# Altium PCB pcb-4layer-1oz-1.6mm.PcbDoc (part 2 of 4)
Units mm, origin at the board's own origin, x right, y up, seen from the top; angles counter-clockwise.
Board outline 208.5 x 86.9 mm, 4 copper layers (Top Layer, MID1, MID2, Bottom Layer), stack 1.579 mm thick; 542 components, 426 nets, 1550 pads, 470 vias.
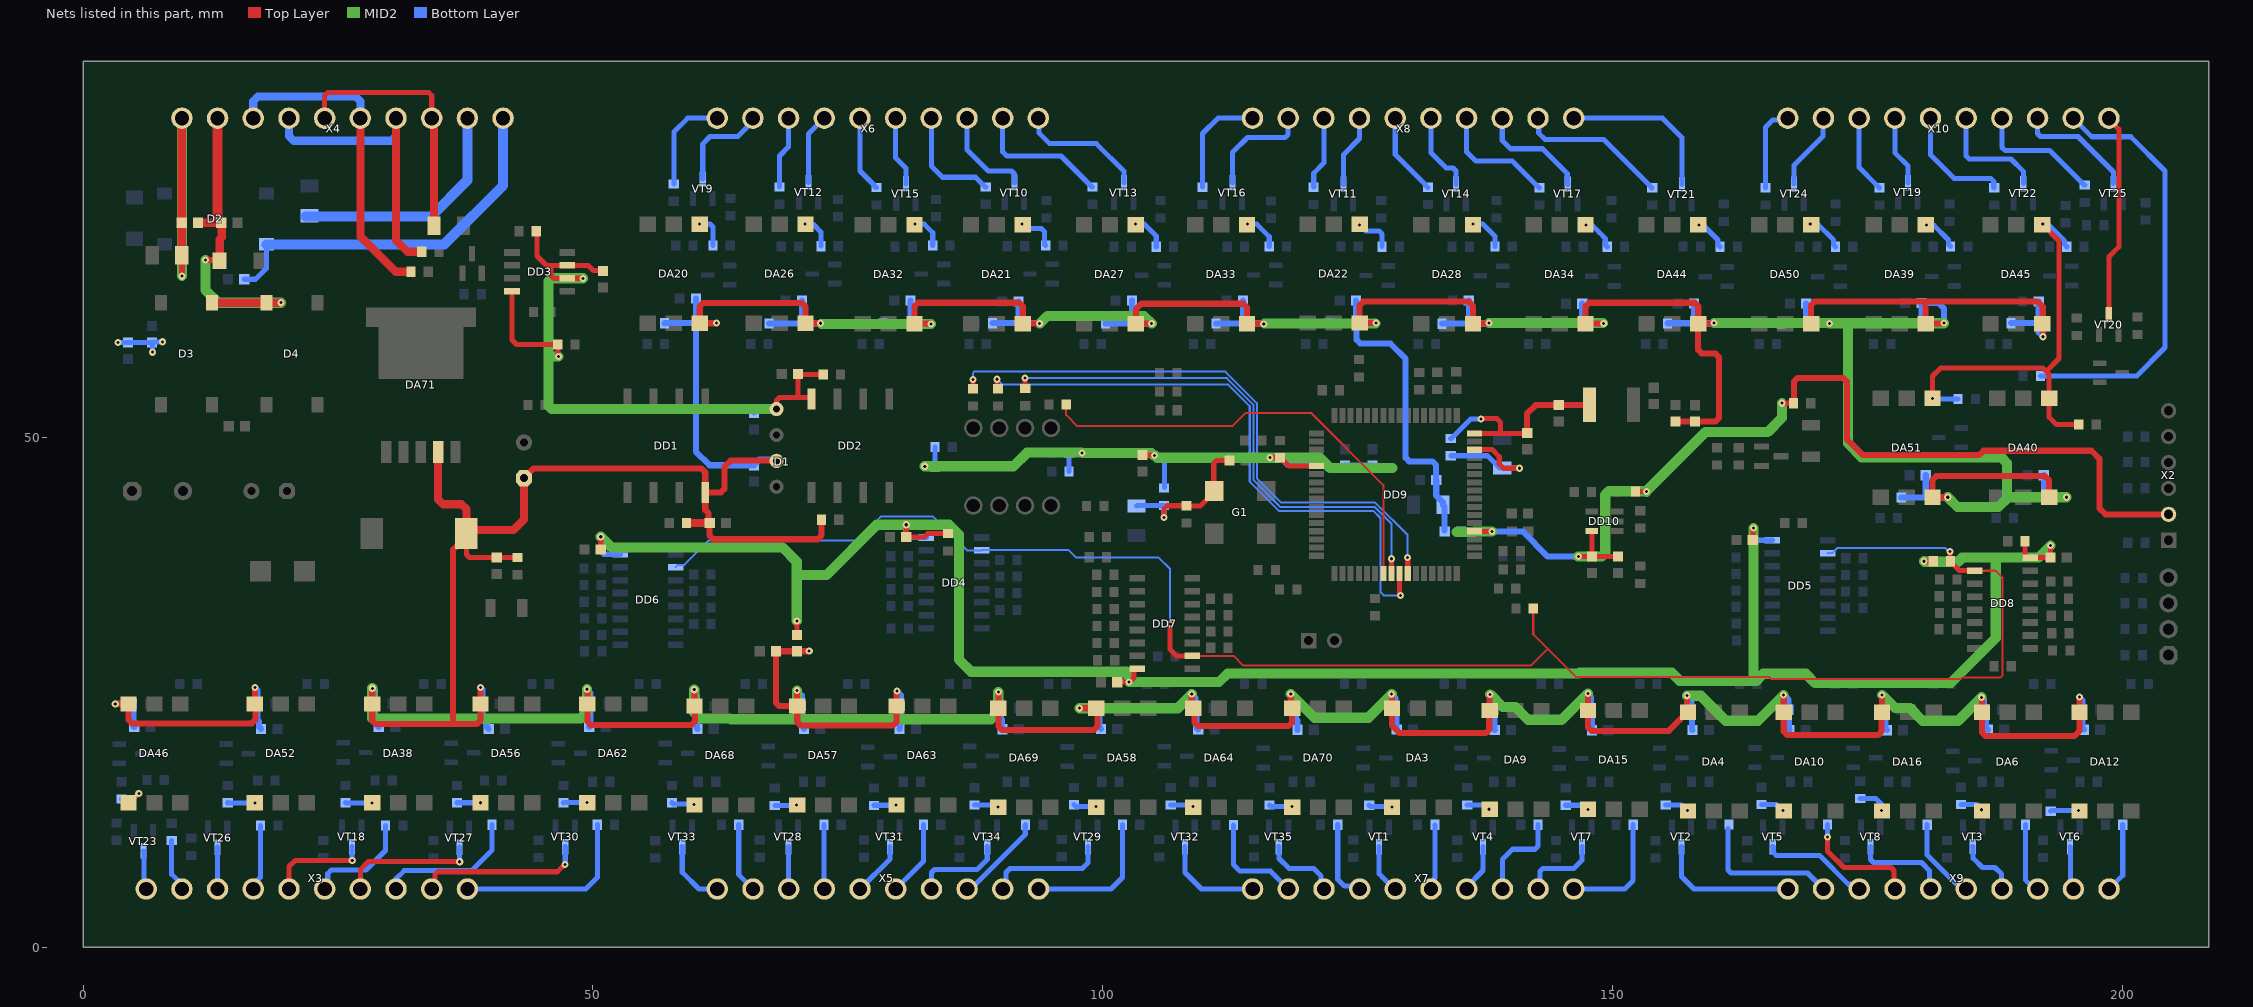
[diagram p4: the nets of this part, all layers, seen from the top]

## Part data
C1 C2 C3 C4 C5 C6 C7 C8 C9 C10 C11 C12 C13 C14 C15 C16 C17 C18 C19 C20 C21 C22 C23 C24 C25 C26 C27 C28 C29 C30 C31 C32 C33 C34 C35 C43 C44 C45 C46 C47 C48 C50 C51 C53 C54 C55 C56 C57 C58 C60 C61 C63 C70 C71: library part GRM188R71C104KA01D, Manufacturer="Murata Manufacturing", Power/Voltage=16V, TemperatureMax=125, TemperatureMin=-55, Tolerance=±10%, Comments=C0603, Height=0.9, ID=Конденсатор, iii="Конденсатор GRM188R71C104KA01D 100n 16V ±10% C0603 X7R  Murata Manufacturing", Package=C0603, Part Number=GRM188R71C104KA01D, TKE=X7R, Код=22
C36 C37 C38 C39 C40: library part GRM188R72A104KA35D, Manufacturer="Murata Manufacturing", Power/Voltage=100V, TemperatureMax=125, TemperatureMin=-55, Tolerance=±10%, Comments=C0603, Height=0.9, ID=Конденсатор, iii="Конденсатор GRM188R72A104KA35D 100n 100V ±10% C0603 X7R  Murata Manufacturing", Package=C0603, Part Number=GRM188R72A104KA35D, TKE=X7R, Код=24
C41 C59 C64 C65 C66: library part GRM1885C1H220JA01D, Manufacturer="Murata Manufacturing", Power/Voltage=50V, TemperatureMax=125, TemperatureMin=-55, Tolerance=±5%, Comments=C0603, ID=Конденсатор, iii="Конденсатор GRM1885C1H220JA01D 22p 50V ±5% C0603 c0g Murata Manufacturing", Package=C0603, Part Number=GRM1885C1H220JA01D, TKE=c0g, Код=80
C42: library part GRM188R71E104KA01D, Manufacturer="Murata Manufacturing", Power/Voltage=25V, TemperatureMax=125, TemperatureMin=-55, Tolerance=±10%, Comments=C0603, Height=0.9, ID=Конденсатор, iii="Конденсатор GRM188R71E104KA01D 100n 25V ±10% C0603 X7R  Murata Manufacturing", Package=C0603, Part Number=GRM188R71E104KA01D, TKE=X7R, Код=23
C49 C52 C62: library part GRM31CR71E106KA12L, Manufacturer="Murata Manufacturing", Power/Voltage=25V, TemperatureMax=125, TemperatureMin=-55, Tolerance=±10%, Comments=C1206, Height=1,5, ID=Конденсатор, iii="Конденсатор GRM31CR71E106KA12L 10mk 25V ±10% C1206 X7R  Murata Manufacturing", Package=C1206, Part Number=GRM31CR71E106KA12L, TKE=X7R, Код=62
C67: library part Capacitors_Aluminium, "ECAP (К50-35), 470мкФ, 35В, 105°C, 20%, 10x17мм P:5мм", Manufacturer="JB Capacitors", Package=D10H17P5, PartNumber=JRB1V471M05001000170000B, Temperature=-55...+105°C, Tolerance=±20%, TypeCapacitor="Aluminium capacitor", Voltage=35V, Impedance=54mOhm, ValueManufacturerPartNumber="Aluminium capacitor, 470μF, 35V, ±20%, 54mOhm, D10H17P5, -55...+105°C"
C68 C69: library part Capacitors_Aluminium, "ECAP (К50-35), 220мкФ, 35В, 105°C, 20%, 8x12мм P:3.5мм, Конденсатор электролитический алюминиевый", Manufacturer="JB Capacitors", Package=D8C3.5H12, PartNumber=JRB1V221M03500800120000B, Temperature=-55...+105°C, Tolerance=±20%, TypeCapacitor="Aluminium capacitor", Voltage=35V, Impedance=54mOhm, ValueManufacturerPartNumber="Aluminium capacitor, 220μF, 35V, ±20%, 54mOhm, D8C3.5H12, -55...+105°C"
D1: library part B0505S-1WR2, "DC/DC converter", Manufacturer=Mornsun, OutputVoltage="5V 200mA", Package=SIP-4, Temperature=-40...+105°C, ComponentType="DC/DC converter", HelpURL=https://www.chipdip.ru/product/b0505s-1wr2, OutputType=isolator, PartNumber=B0505S-1WR2, ValueManufacturerPartNumber="DC/DC converter, isolator, 5V 200mA, -40...+105°C, SIP-4"
D2 D3 D4: "SINGLE-PHASE SURFACE MOUNT BRIDGE RECTIFIER", Manufacturer="DC COMPONENTS", Power/Voltage=50V, TemperatureMax=150, TemperatureMin=-55, Com=DB101S, ComponentLink1Description=Datasheet, ComponentLink1URL=\\server_altium\ServerShare\Schematic\pdf\DB101S.pdf, ID="Диодный мост", iii="Диодный мост DB101S 1A 50V    DC COMPONENTS", Part Number=DB101S, Код=5
DA1 DA2 DA5 DA7 DA8 DA11 DA13 DA14 DA17 DA18 DA19 DA23 DA24 DA25 DA29 DA30 DA31 DA35 DA36 DA37 DA41 DA42 DA43 DA47 DA48 DA49 DA53 DA54 DA55 DA59 DA60 DA61 DA65 DA66 DA67: "Integrated Circuit", Manufacturer_Name="Texas Instruments", Mouser Part Number=595-TL431ACDBZR, Arrow Part Number=TL431ACDBZR, Arrow Price/Stock=https://www.arrow.com/en/products/tl431acdbzr/texas-instruments?region=nac, Datasheet Link=https://datasheet.datasheetarchive.com/originals/distributors/SFDatasheet-6/sf-000131849.pdf, Manufacturer_Part_Number=TL431ACDBZR, Mouser Price/Stock=https://www.mouser.co.uk/ProductDetail/Texas-Instruments/TL431ACDBZR?qs=odmYgEirbwzMcBuFx%2Fo8hQ%3D%3D, PartNumber=TL431ACDBZR
DA3 DA4 DA6 DA9 DA10 DA12 DA15 DA16 DA20 DA21 DA22 DA26 DA27 DA28 DA32 DA33 DA34 DA38 DA39 DA40 DA44 DA45 DA46 DA50 DA51 DA52 DA56 DA57 DA58 DA62 DA63 DA64 DA68 DA69 DA70: "Integrated Circuit", Manufacturer_Name="Iso Com", Datasheet Link=http://isocom.com/wp-content/uploads/2017/09/DD93224-H11L1_H11L1V-110817.pdf, Height=4.6mm, Manufacturer_Part_Number=H11L1SM, PartNumber=H11L1SM
DA71: "Integrated Circuit", Manufacturer_Name="Texas Instruments", Mouser Part Number=926-LM2596S-50, Arrow Part Number=LM2596S-5.0, Arrow Price/Stock=https://www.arrow.com/en/products/lm2596s-5.0/texas-instruments?region=nac, Datasheet Link=https://www.ti.com/lit/gpn/LM2596, Mouser Price/Stock=https://www.mouser.co.uk/ProductDetail/Texas-Instruments/LM2596S-5.0?qs=X1J7HmVL2ZGcOr96VNr%252B%2Fw%3D%3D, PartNumber=LM2596S-5.0
DD1 DD2: "Integrated Circuit", Manufacturer_Name="ON Semiconductor", Mouser Part Number=512-6N137SDM, Arrow Part Number=6N137SDM, Arrow Price/Stock=https://www.arrow.com/en/products/6n137sdm/on-semiconductor?region=nac, Datasheet Link=https://www.onsemi.com/pub/Collateral/HCPL2631M-D.pdf, Height=5.08mm, Mouser Price/Stock=https://www.mouser.co.uk/ProductDetail/ON-Semiconductor-Fairchild/6N137SDM?qs=wuRI32rFNSFC%252BTbDLj3kvw%3D%3D, PartNumber=6N137SDM
DD3: "Integrated Circuit", Manufacturer_Name="Maxim Integrated", Mouser Part Number=700-MAX13487EESA, Datasheet Link=http://docs-emea.rs-online.com/webdocs/13e4/0900766b813e41ed.pdf, Height=1.75mm, Mouser Price/Stock=https://www.mouser.co.uk/ProductDetail/Maxim-Integrated/MAX13487EESA%2b?qs=1THa7WoU59G338ZrcGWwYw%3D%3D, PartNumber=MAX13487EESA+
DD4 DD5 DD6 DD7 DD8: "Integrated Circuit", Arrow Part Number=74HC165D(BJ), Manufacturer_Name=Toshiba, Mouser Part Number=757-74HC165DBJ, Arrow Price/Stock=https://www.arrow.com/en/products/74hc165d-bj/toshiba?region=nac, Datasheet Link=https://www.arrow.com/en/products/74hc165d-bj/toshiba?region=nac, Height=1.75mm, Mouser Price/Stock=https://www.mouser.co.uk/ProductDetail/Toshiba/74HC165DBJ?qs=lQAVKuKFhkJom8fGze1o7Q%3D%3D, PartNumber=74HC165D(BJ)
DD9: "Integrated Circuit", Manufacturer_Name=Microchip, Mouser Part Number=556-ATMEGA64A-AU, Arrow Price/Stock=https://www.arrow.com/en/products/atmega64a-au/microchip-technology?region=nac, Datasheet Link=https://datasheet.datasheetarchive.com/originals/distributors/Datasheets_SAMA/61cd3663d987104d1956c12d3ceac457.pdf, Height=1.2mm, Manufacturer_Part_Number=ATMEGA64A-AU, Mouser Price/Stock=https://www.mouser.co.uk/ProductDetail/Microchip-Technology-Atmel/ATMEGA64A-AU?qs=RwPDB89%252B8xSA448I6y2Ecg%3D%3D, Part Number=ATMEGA64A-AU
DD10: "Integrated Circuit", Manufacturer_Name=STMicroelectronics, Mouser Part Number=511-STWD100NYWY3F, Arrow Part Number=STWD100NYWY3F, Arrow Price/Stock=https://www.arrow.com/en/products/stwd100nywy3f/stmicroelectronics?region=nac, Datasheet Link=https://datasheet.datasheetarchive.com/originals/distributors/Datasheets-DGA25/1683135.pdf, Height=1.45mm, Mouser Price/Stock=https://www.mouser.co.uk/ProductDetail/STMicroelectronics/STWD100NYWY3F?qs=jWm4idrLpzx15dHtESXwMQ%3D%3D, PartNumber=STWD100NYWY3F
FU1: library part Fuse, Manufacturer=1206-13V-075A-1, MaxCurrent=0.75A, Package=1206, VoltageMax=13, PartNumber=1206-13V-075A-1, ValueManufacturerPartNumber=", 13, 0.75A, 1206,"
FU2: library part Fuse, Manufacturer=046602.5NR, MaxCurrent=2.5A, Package=1206, VoltageMax=13, PartNumber=046602.5NR, ValueManufacturerPartNumber=", 13, 2.5A, 1206,"
G1: library part CSX-750FCC, "Кварцевый генератор 16МГц 5В,HCMOS/TTL в корпусе SMD 7x5мм; гк 16000 \\SMD07050C4\T/CM\5В\ CSX-750FCC\CITIZEN", Manufacturer_Name="Citizen Finetech Miyota", Datasheet Link=https://www.chipdip.ru/product0/8004482821, Height=1.6mm, Manufacturer_Part_Number=CSX-750FCC, Mouser Price/Stock=https://www.chipdip.ru/product0/8004482821, PartNumber=CSX-750FCC
L1 L2 L3 L4 L5: Package=L0603, Power/Voltage=3A, Com=BLM18PG330SN1D, ID="Ферритовая бусина", iii="Ферритовая бусина BLM18PG330SN1D 33 Ohm 3A  L0603", Part Number=BLM18PG330SN1D, Код=22
L6: library part B82432-A1103-K, Manufacturer=Epcos, Tolerance=±10%, Com=L1812, ID=Индуктивность, iii="Индуктивность B82432-A1103-K 10mk  ±10% L1812  Epcos", Package=L1812, Part Number=B82432-A1103-K, Код=16
L7: library part Inductor_, "CDRH104RNP-330NC", Manufacturer=Sumida, MaxCurrent=2.2A, Temperature=-55...+125°C, Tolerance=±20%, TypeInductor="Fixed inductor", Package=CDRH104RNP-330NC, PartNumber=CDRH104RNP-330NC, ValueManufacturerPartNumber="Fixed inductor, 33μH, ±20%, CDRH104RNP-330NC, 2.2A, -55...+125°C"
LED1 LED2: "LED", Manufacturer_Name=Lite-On, Mouser Part Number=859-LTST-C150KSKT, Arrow Part Number=LTST-C150KSKT, Arrow Price/Stock=https://www.arrow.com/en/products/ltst-c150kskt/lite-on-technology?region=nac, Datasheet Link=https://componentsearchengine.com/Datasheets/1/LTST-C150KSKT.pdf, Height=1.1mm, Manufacturer_Part_Number=LTST-C150KSKT, Mouser Price/Stock=https://www.mouser.co.uk/ProductDetail/Lite-On/LTST-C150KSKT?qs=BwFLjhzUaKkzXUKRSgwLjg%3D%3D
R1 R2 R5 R18 R19 R27 R35 R36 R49 R50 R51 R67 R68 R69 R85 R86 R87 R103 R104 R105 R121 R122 R123 R139 R140 R141 R157 R158 R159 R175 R176 R177 R193 R194 R195: library part RC0603FK-071KL, Manufacturer=Тайвань, Power/Voltage=0.063W/50V, TemperatureMax=155, TemperatureMin=-55, Tolerance=±1%, Comments=R0603, ID=Резистор, iii="Резистор RC0603FK-071KL 1k 0.063W/50V ±1% R0603  Тайвань", Package=R0603, Part Number=RC0603FK-071KL, Код=31
R3 R4 R6 R7 R8 R13 R15 R16 R20 R21 R22 R23 R24 R30 R31 R32 R33 R37 R38 R40 R41 R42 R47 R48 R52 R53 R54 R55 R56 R57 R64 R65 R66 R70 R71 R72 R73 R74 R77 R82 R83 R84 R88 R89 R90 R91 R92 R93 R100 R101 R102 R106 R107 R108 R109 R110 R111 R118 R119 R120 R124 R125 R126 R127 R128 R131 R136 R137 R138 R142 R143 R144 R145 R146 R147 R154 R155 R156 R160 R161 R162 R163 R164 R165 R172 R173 R174 R178 R179 R180 R181 R182 R185 R190 R191 R192 R196 R197 R198 R199 R200 R201 R208 R209 R210 R220 R221 R222 R223 R224 R225 R226 R227 R228 R229 R230 R231 R232 R234 R235 R236 R237 R238 R239 R241 R242 R243 R244 R246 R247 R248 R249 R250 R251 R252 R253 R254 R255 R256 R257 R258 R259 R260 R261 R262 R263 R264 R265 R269 R270 R271 R272: library part RC0603FK-0722RL, Manufacturer=Тайвань, Power/Voltage=0.063W/50V, TemperatureMax=155, TemperatureMin=-55, Tolerance=±1%, Comments=R0603, ID=Резистор, iii="Резистор RC0603FK-0722RL 22 0.063W/50V ±1% R0603  Тайвань", Package=R0603, Part Number=RC0603FK-0722RL, Код=11
R9 R10 R14 R25 R26 R34 R43 R44 R58 R59 R60 R75 R76 R78 R94 R95 R96 R112 R113 R114 R129 R130 R132 R148 R149 R150 R166 R167 R168 R183 R184 R186 R202 R203 R204: library part RC0603FK-07150RL, Manufacturer=Тайвань, Power/Voltage=0.063W/50V, TemperatureMax=155, TemperatureMin=-55, Tolerance=±1%, Comments=R0603, ID=Резистор, iii="Резистор RC0603FK-07150RL 150 0.063W/50V ±1% R0603  Тайвань", Package=R0603, Part Number=RC0603FK-07150RL, Код=17
R11 R12 R17 R28 R29 R39 R45 R46 R61 R62 R63 R79 R80 R81 R97 R98 R99 R115 R116 R117 R133 R134 R135 R151 R152 R153 R169 R170 R171 R187 R188 R189 R205 R206 R207 R233 R240 R245 R266 R267 R268 R273 R274: library part RC0603FK-0710KL, Manufacturer=Тайвань, Part Number=RC0603FR-0710KL, Power/Voltage=0.063W/50V, TemperatureMax=155, TemperatureMin=-55, Tolerance=±1%, Comments=R0603, ID=Резистор, iii="Резистор RC0603FK-0710KL 10k 0.063W/50V ±1% R0603  Тайвань", Package=R0603, Код=26
R211 R214 R217: library part RC0603FK-0710KL, Manufacturer=Тайвань, Part Number=RC0603FR-07120RL, Power/Voltage=0.063W/50V, TemperatureMax=155, TemperatureMin=-55, Tolerance=±1%, Comments=R0603, ID=Резистор, iii="Резистор RC0603FK-0710KL 10k 0.063W/50V ±1% R0603  Тайвань", Package=R0603, Код=26
R212 R213: library part RC0603FK-0710KL, Manufacturer=Тайвань, Part Number=RC0603FR-07360RL, Power/Voltage=0.063W/50V, TemperatureMax=155, TemperatureMin=-55, Tolerance=±1%, Comments=R0603, ID=Резистор, iii="Резистор RC0603FK-0710KL 10k 0.063W/50V ±1% R0603  Тайвань", Package=R0603, Код=26
R215 R216 R277 R278 R279 R280 R281 R282 R283 R284 R285 R287 R288 R291 R292 R293 R300 R301 R302 R308 R309 R310 R311 R312 R313: library part RC0603FK-0710KL, Manufacturer=Тайвань, Part Number=RC0603FR-0710RL, Power/Voltage=0.063W/50V, TemperatureMax=155, TemperatureMin=-55, Tolerance=±1%, Comments=R0603, ID=Резистор, iii="Резистор RC0603FK-0710KL 10k 0.063W/50V ±1% R0603  Тайвань", Package=R0603, Код=26
R218 R219: library part RC0603FK-0710KL, Manufacturer=Тайвань, Part Number=RC0603FR-074K7L, Power/Voltage=0.063W/50V, TemperatureMax=155, TemperatureMin=-55, Tolerance=±1%, Comments=R0603, ID=Резистор, iii="Резистор RC0603FK-0710KL 10k 0.063W/50V ±1% R0603  Тайвань", Package=R0603, Код=26
R275 R290 R295 R303 R305 R306: library part RC0603FK-0710KL, Manufacturer=Тайвань, Power/Voltage=0.063W/50V, TemperatureMax=155, TemperatureMin=-55, Tolerance=±1%, Comments=R0603, ID=Резистор, iii="Резистор RC0603FK-0710KL 10k 0.063W/50V ±1% R0603  Тайвань", Package=R0603, Part Number=RC0603FK-0710KL, Код=26
R276 R314: library part RC0603FK-07100RL, Manufacturer=Тайвань, Power/Voltage=0.063W/50V, TemperatureMax=155, TemperatureMin=-55, Tolerance=±1%, Comments=R0603, ID=Резистор, iii="Резистор RC0603FK-07100RL 100 0.063W/50V ±1% R0603  Тайвань", Package=R0603, Part Number=RC0603FK-07100RL, Код=16
R286 R289 R294 R296 R297 R298 R299 R304 R315: library part 0603_NC, Comments=R0603, ID=NC, iii="NC 0603_NC NC   R0603", Package=R0603, Part Number=0603_NC, Код=274
R307 R316 R318 R320: library part RC0603FK-07100KL, Manufacturer=Тайвань, Power/Voltage=0.063W/50V, TemperatureMax=155, TemperatureMin=-55, Tolerance=±1%, Comments=R0603, ID=Резистор, iii="Резистор RC0603FK-07100KL 100k 0.063W/50V ±1% R0603  Тайвань", Package=R0603, Part Number=RC0603FK-07100KL, Код=24
R317: library part RC0603FK-071K5L, Manufacturer=Тайвань, Power/Voltage=0.063W/50V, TemperatureMax=155, TemperatureMin=-55, Tolerance=±1%, Comments=R0603, ID=Резистор, iii="Резистор RC0603FK-071K5L 1.5k 0.063W/50V ±1% R0603  Тайвань", Package=R0603, Part Number=RC0603FK-071K5L, Код=22
R319 R321: library part RC0603FK-07470RL, Manufacturer=Тайвань, Power/Voltage=0.063W/50V, TemperatureMax=155, TemperatureMin=-55, Tolerance=±1%, Comments=R0603, ID=Резистор, iii="Резистор RC0603FK-07470RL 470 0.063W/50V ±1% R0603  Тайвань", Package=R0603, Part Number=RC0603FK-07470RL, Код=20
R322: library part RC1206FR-070R33L, Part Number=RC1206FR-07100RL, Power/Voltage=0.25W, Tolerance=±1%, Comments=R1206, ID=Резистор, iii=RC1206FR-07100RL, Package=R1206, Код=196
VD1: library part SM712.TCT, Manufacturer=Semtech, Package=SOT-23, Power/Voltage=12V/400W, TemperatureMax=125, TemperatureMin=-55, Com=SM712, ID="Защитный диод 2 канальный", iii="Защитный диод 2 канальный SM712.TCT  12V/400W  SOT-23  Semtech", Part Number=SM712.TCT, Код=32
VD2 VD3: "TVS Diode (Uni-directional)", Manufacturer_Name=STMicroelectronics, Mouser Part Number=511-SMAJ33A-TR, Arrow Part Number=SMAJ33A-TR, Arrow Price/Stock=https://www.arrow.com/en/products/smaj33a-tr/stmicroelectronics?region=europe, Datasheet Link=https://www.st.com/resource/en/datasheet/smaj10ca.pdf, Height=2.65mm, Mouser Price/Stock=https://www.mouser.co.uk/ProductDetail/STMicroelectronics/SMAJ33A-TR?qs=jwZhmErakJAmVBO%2Fr9%252BXpg%3D%3D, PartNumber=SMAJ33A-TR
VD4: "Diode", Manufacturer_Name="Taiwan Semiconductor", Mouser Part Number=821-SK34B, PartNumber=SK34, Datasheet Link=https://componentsearchengine.com/Datasheets/2/SK34B.pdf, Height=2.61mm, Mouser Price/Stock=https://www.mouser.co.uk/ProductDetail/Taiwan-Semiconductor/SK34B?qs=tHU%2FlV7kTyScurMVJgLz7Q%3D%3D
VT1 VT2 VT3 VT4 VT5 VT6 VT7 VT8 VT9 VT10 VT11 VT12 VT13 VT14 VT15 VT16 VT17 VT18 VT19 VT20 VT21 VT22 VT23 VT24 VT25 VT26 VT27 VT28 VT29 VT30 VT31 VT32 VT33 VT34 VT35 VT36: Manufacturer="NXP Semiconductor", Package=sot23, Power/Voltage=45V, Com=BC847, ID=Транзистор, iii="Транзистор BC847 0.1A 45V  sot23  NXP Semiconductor", Part Number=BC847, Код=2
X1: library part PBS-4, CurrentMax=3A, Manufacturer=Connfly, VoltageMax=500VAC, CommentText="\"Разъем\"", HelpURL=https://www.chipdip.ru/product/pbs-4, Multichannel=4pin, PartNumber=PBS-4, Pitch=2.54mm, TypeConnector=Connector, ValueManufacturerPartNumber="Connector, 4pin, 2.54mm, 500VAC, 3A"
X2 X11: Manufacturer="Dinkle Enterprise", ID=Коннектор
  X2: iii="Коннектор HDR1X6      Dinkle Enterprise", Part Number=HDR1X6, Код=13
  X11: iii="Коннектор HDR1X2      Dinkle Enterprise", Part Number=HDR1X2, Код=12
X3 X4 X5 X6 X7 X8 X9 X10: library part 15EDGVC-3.5-10P-14-00A(H), CurrentMax=10A, Manufacturer=Degson, VoltageMax=300VAC, CommentText="\"Разъем\"", Multichannel=6pin, PartNumber=15EDGVC-3.5-10P-14-00A(H), Pitch=3.5mm, TypeConnector="Terminal connector", ValueManufacturerPartNumber="Terminal connector, 6pin, 3.5mm, 300VAC, 10A"
SB1: ID="Переключатель DIP", iii="Переключатель DIP DS1040-04RN", Part Number=DS1040-04RN, Код=51

## Via types
v1: diameter 0.7, hole 0.3, Top Layer to Bottom Layer, tented both sides, 437 vias
v2: diameter 0.65, hole 0.3, Top Layer to Bottom Layer, tented both sides, 21 vias
v3: diameter 0.65, hole 0.3, Top Layer to Bottom Layer, 12 vias

## Nets (pads, with @x,y where several pads share a name; then routed paths per layer and width w, separated by ;. In a path a pad name is that pad's centre, name@x,y a point inside that pad or via, vN(x,y) a via of type N, cw(c..) or ccw(c..) an arc to the next point about the centre after c; other vN are vias at no path point)
1: R55.2 X6.1 | length 9.9
  Bottom Layer w0.5: R55.2@57.938,74.85 57.938,79.938 59.301,81.301 X6.1@62.193,81.301
2: VT9.3 X6.2 | length 9.6
  Bottom Layer w0.5: VT9.3@60.773,75.317 60.773,78.773 61.5,79.5 64.207,79.5 65.693,80.986 X6.2@65.693,81.301
3: R73.2 X6.3 | length 7.1
  Bottom Layer w0.5: R73.2@68.319,74.552 68.319,77.581 68.3,77.6 69.193,78.493 X6.3@69.193,81.301
4: VT12.3 X6.4 | length 6.9
  Bottom Layer w0.5: VT12.3@71.134,75.001 71.134,79.742 X6.4@72.693,81.301
5: R91.2 X6.5 | length 7.5
  Bottom Layer w0.5: X6.5@76.193,81.301 76.193,76.125 77.577,74.742 77.577,74.692 77.777,74.492 R91.2@77.827,74.492
6: VT15.3 X6.6 | length 6.9
  Bottom Layer w0.5: X6.6@79.693,81.301 79.693,77.407 80.708,76.392 VT15.3@80.708,74.859
7: R56.2 X6.7 | length 10.9
  Bottom Layer w0.5: X6.7@83.193,81.301 83.193,76.607 84.3,75.5 87.531,75.5 88.479,74.552 R56.2@88.529,74.552
8: VT10.3 X6.8 | length 9.6
  Bottom Layer w0.5: X6.8@86.693,81.301 86.693,78.207 88.788,76.112 91.069,76.112 91.361,75.819 91.361,74.965 VT10.3@91.348,74.952
9: R74.2 X6.9 | length 13.5
  Bottom Layer w0.5: X6.9@90.193,81.301 90.193,78.007 90.6,77.6 95.907,77.6 98.955,74.552 R74.2@99.005,74.552
10: VT13.3 X6.10 | length 12.5
  Bottom Layer w0.5: X6.10@93.693,81.301 93.769,81.226 93.769,79.831 94.8,78.8 99.382,78.8 102.076,76.106 VT13.3@102.076,74.955
11: R92.2 X8.1 | length 10.8
  Bottom Layer w0.5: R92.2@109.802,74.531 109.802,79.802 111.301,81.301 X8.1@114.693,81.301
12: VT16.3 X8.2 | length 10.8
  Bottom Layer w0.5: VT16.3@112.72,74.952 112.72,77.92 114.2,79.4 117.9,79.4 118.193,79.693 X8.2@118.193,81.301
13: R57.2 X8.3 | length 7.2
  Bottom Layer w0.5: R57.2@120.687,74.53 120.7,74.543 120.7,75.9 121.693,76.893 X8.3@121.693,81.301
14: VT11.3 X8.4 | length 7.1
  Bottom Layer w0.5: VT11.3@123.609,74.82 123.609,77.709 125.193,79.293 X8.4@125.193,81.301
15: R77.2 X8.5 | length 8.1
  Bottom Layer w0.5: X8.5@128.693,81.301 128.693,77.732 131.658,74.767 131.658,74.717 131.858,74.517 R77.2@131.908,74.517
16: VT14.3 X8.6 | length 7.9
  Bottom Layer w0.5: X8.6@132.193,81.301 132.193,77.907 133.7,76.4 134.37,76.4 134.663,76.107 VT14.3@134.663,74.82
17: R93.2 X8.7 | length 11.9
  Bottom Layer w0.5: X8.7@135.693,81.301 135.693,78.007 136.6,77.1 140.177,77.1 142.8,74.477 R93.2@142.85,74.477
18: VT17.3 X8.8 | length 11
  Bottom Layer w0.5: X8.8@139.193,81.301 139.193,79.107 140,78.3 143.15,78.3 145.568,75.882 145.568,74.868 VT17.3@145.616,74.82
19: R127.2 X8.9 | length 14.8
  Bottom Layer w0.5: X8.9@142.693,81.301 142.769,81.226 142.769,79.831 143.4,79.2 149.138,79.2 153.646,74.693 153.646,74.677 153.846,74.477 R127.2@153.861,74.477
20: VT21.3 X8.10 | length 16
  Bottom Layer w0.5: X8.10@146.193,81.301 154.899,81.301 156.817,79.383 VT21.3@156.817,74.784
21: R145.2 X10.1 | length 8.5
  Bottom Layer w0.5: R145.2@165.024,74.477 165.024,80.424 165.7,81.1 166.992,81.1 X10.1@167.193,81.301
22: VT24.3 X10.2 | length 7.7
  Bottom Layer w0.5: VT24.3@167.808,74.826 167.808,76.689 170.638,79.519 170.638,81.246 X10.2@170.693,81.301
23: R110.2 X10.3 | length 7.7
  Bottom Layer w0.5: X10.3@174.193,81.301 174.193,76.459 175.925,74.727 175.925,74.677 176.125,74.477 R110.2@176.175,74.477
24: VT19.3 X10.4 | length 6.9
  Bottom Layer w0.5: X10.4@177.693,81.301 177.693,77.907 178.979,76.621 VT19.3@178.979,74.969
25: R128.2 X10.5 | length 11.5
  Bottom Layer w0.5: X10.5@181.193,81.301 181.193,77.707 183.5,75.4 187.107,75.4 187.4,75.107 187.4,74.515 R128.2@187.438,74.477
26: VT22.3 X10.6 | length 11.1
  Bottom Layer w0.5: X10.6@184.693,81.301 184.693,77.593 184.986,77.3 189.079,77.3 190.297,76.082 VT22.3@190.297,74.884
27: R146.2 X10.7 | length 12.5
  Bottom Layer w0.5: X10.7@188.193,81.301 188.193,78.434 188.486,78.141 192.868,78.141 196.273,74.737 R146.2@196.323,74.737
28: VT25.3 X10.8 | length 11.7
  Bottom Layer w0.5: X10.8@191.693,81.301 191.693,79.793 191.986,79.5 195.669,79.5 199.139,76.03 VT25.3@199.139,74.878
29: R111.2 X10.9 | length 41.8
  Bottom Layer w0.5: R111.2@191.968,56.022 201.422,56.022 204.2,58.8 204.2,76.109 200.833,79.476 197.018,79.476 X10.9@195.193,81.301
30: VT20.3 X10.10 | length 20.1
  Top Layer w0.5: VT20.3@198.68,62.006 198.686,62.013 198.686,67.718 199.66,68.691 199.66,80.208 198.693,81.175 X10.10@198.693,81.301
31: R131.2 X3.9 | length 5.2
  Bottom Layer w0.5: R131.2@8.689,10.442 8.689,7.135 9.693,6.131 X3.9@9.693,5.698
32: VT23.3 X3.10 | length 3.8
  Bottom Layer w0.5: VT23.3@5.926,9.437 5.976,9.387 5.976,5.916 X3.10@6.193,5.698
33: R147.2 X3.7 | length 6.5
  Bottom Layer w0.5: X3.7@16.693,5.698 16.693,6.131 17.406,6.844 R147.2@17.406,11.938
34: VT26.3 X3.8 | length 4.1
  Bottom Layer w0.5: VT26.3@13.187,9.788 13.19,9.785 13.19,5.701 X3.8@13.193,5.698
35: R109.2 X3.5 | length 10.7
  Bottom Layer w0.5: X3.5@23.693,5.698 23.999,6.004 23.999,7.199 24.35,7.55 27.75,7.55 29.673,9.473 R109.2@29.673,11.938
36: VT18.3 X3.6 | length 10
  Top Layer w0.5: X3.6@20.193,5.698 20.193,7.893 20.8,8.5 v1(26.4,8.5)
  Bottom Layer w0.5: VT18.3@26.361,9.853 26.361,8.539 v1(26.4,8.5)
37: R163.2 X3.3 | length 14.1
  Bottom Layer w0.5: X3.3@30.693,5.698 30.7,5.705 30.7,6.707 31.493,7.5 38.1,7.5 40.106,9.506 R163.2@40.106,12.003
38: VT27.3 X3.4 | length 13.4
  Top Layer w0.5: X3.4@27.193,5.698 27.193,7.593 28,8.4 36.907,8.4 v1(36.938,8.368)
  Bottom Layer w0.5: VT27.3@36.917,9.788 36.917,8.39 v1(36.938,8.368)
39: R181.2 X3.1 | length 18.4
  Bottom Layer w0.5: X3.1@37.693,5.698 49.298,5.698 50.435,6.835 R181.2@50.435,12.003
40: VT30.3 X3.2 | length 16.5
  Top Layer w0.5: X3.2@34.193,5.698 34.499,6.004 34.499,7.095 34.792,7.388 46.509,7.388 47.208,8.087 v1(47.262,8.087)
  Bottom Layer w0.5: v1(47.262,8.087) 47.288,8.112 VT30.3@47.288,9.853
41: R199.2 X5.9 | length 6.9
  Bottom Layer w0.5: R199.2@64.304,12.003 64.304,7.101 X5.9@65.707,5.698
42: VT33.3 X5.10 | length 6.6
  Bottom Layer w0.5: VT33.3@58.766,9.853 58.766,7.334 60.402,5.698 X5.10@62.207,5.698